# Altium PCB PCB_3U_DAC.PCBDOC (part 1 of 9) (continued)
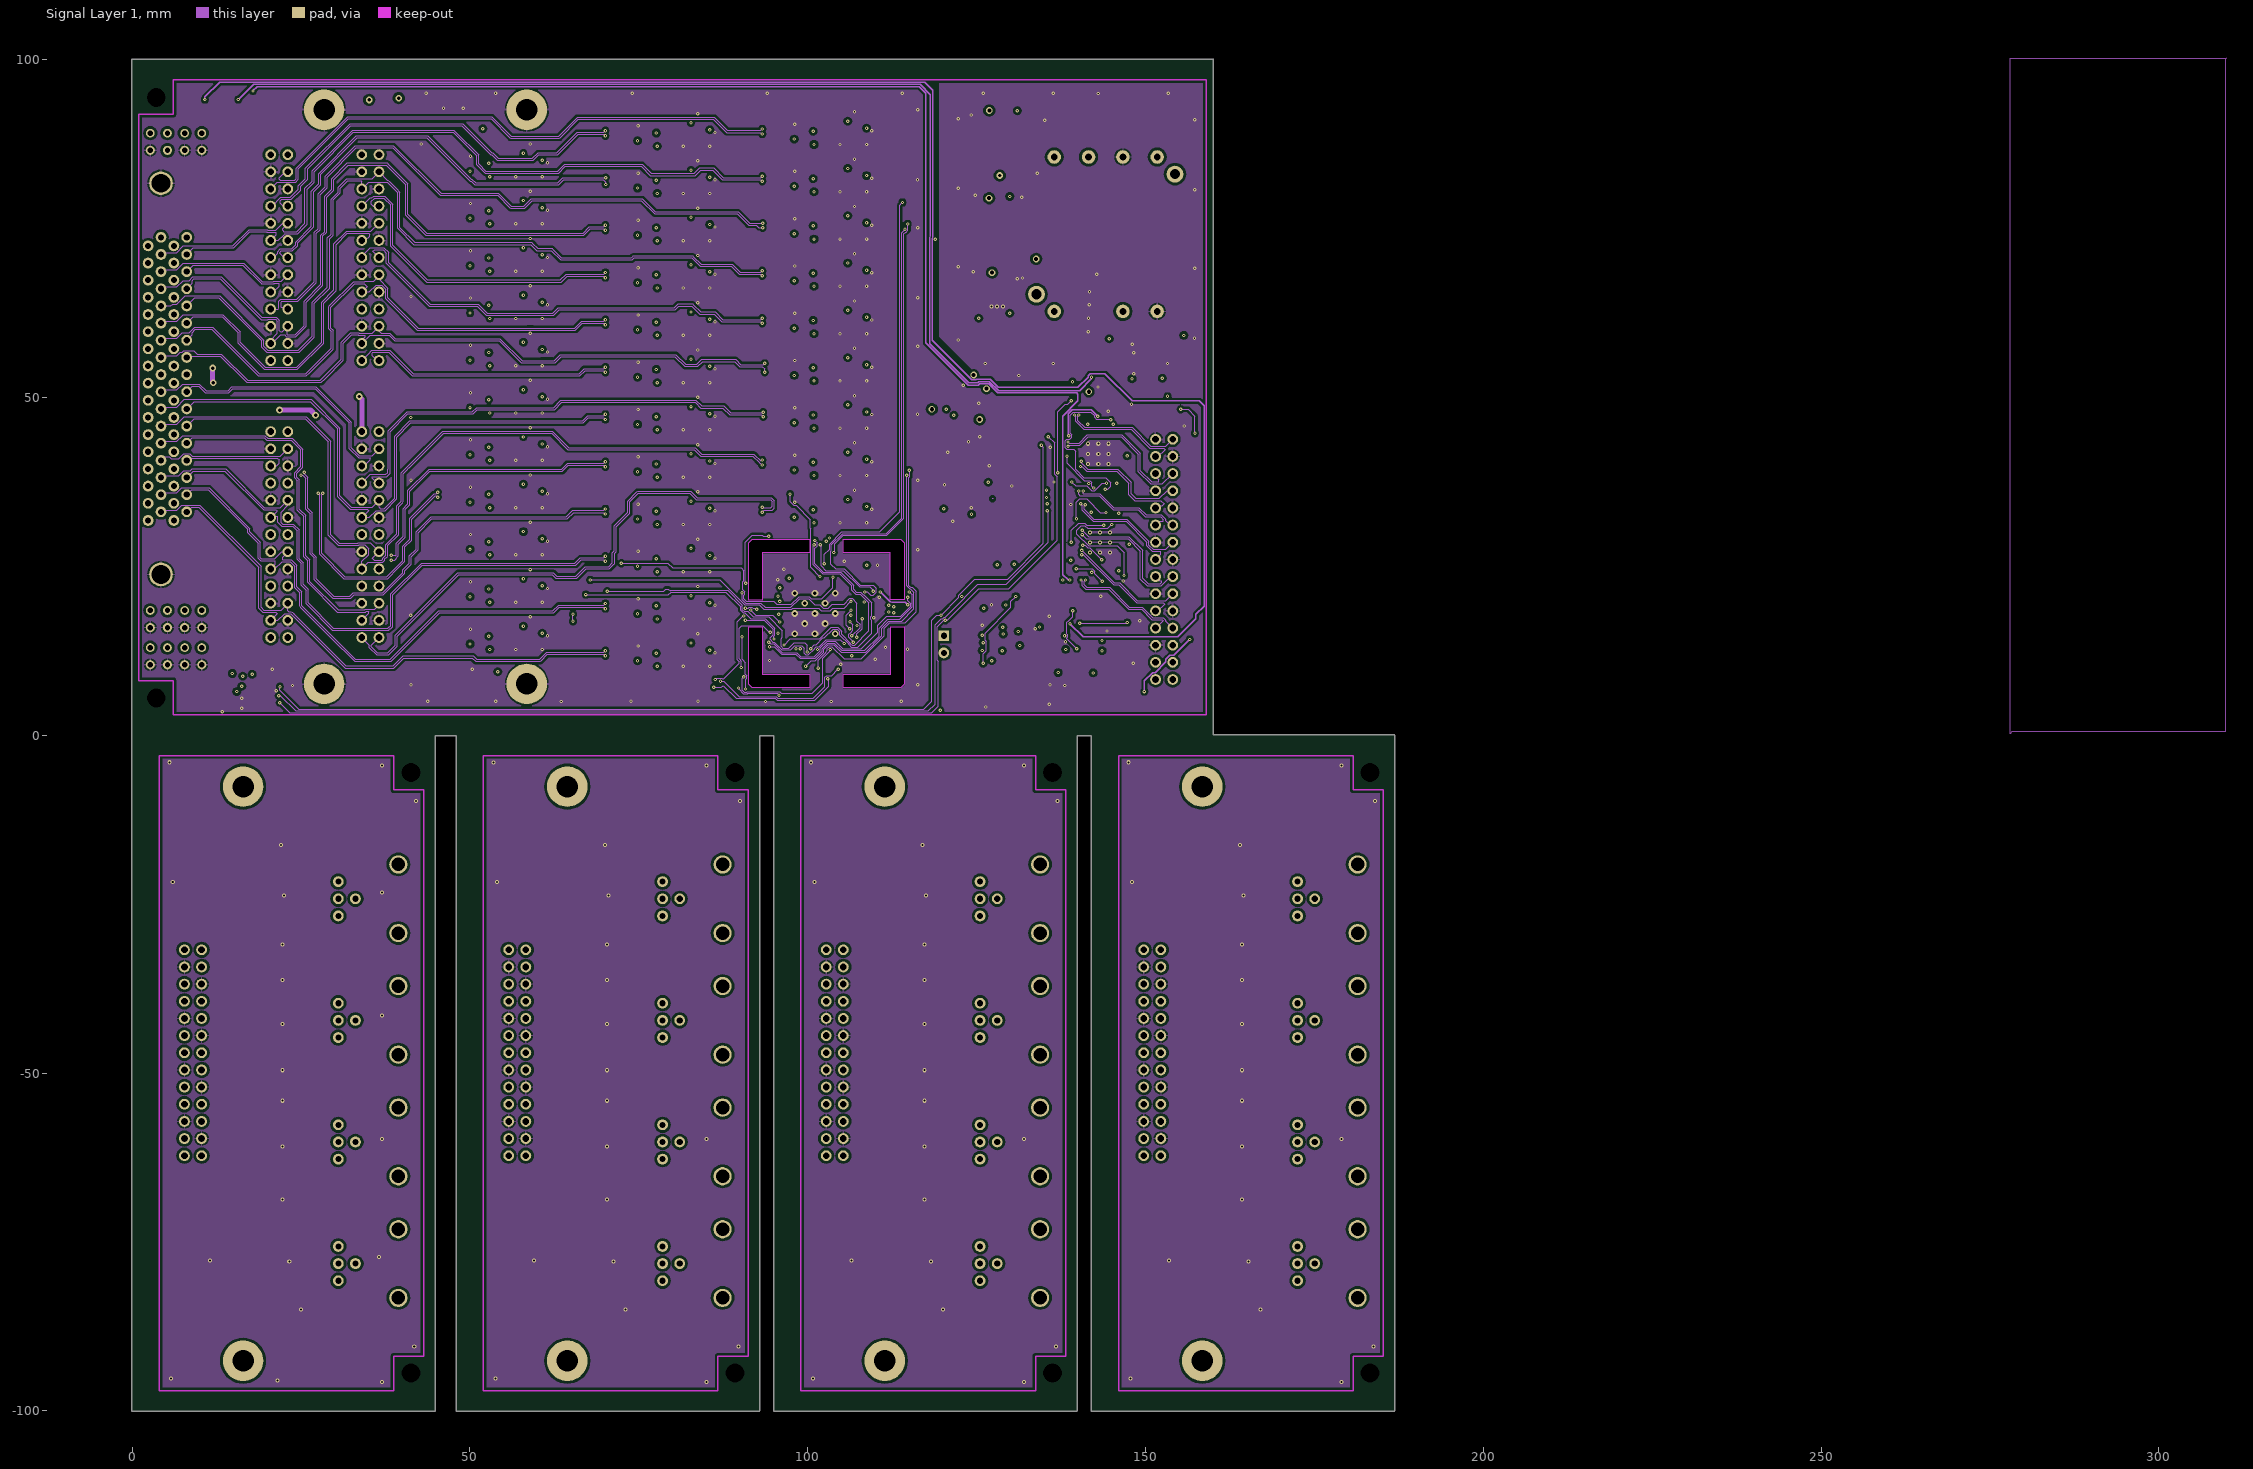
[diagram p3: Signal Layer 1]
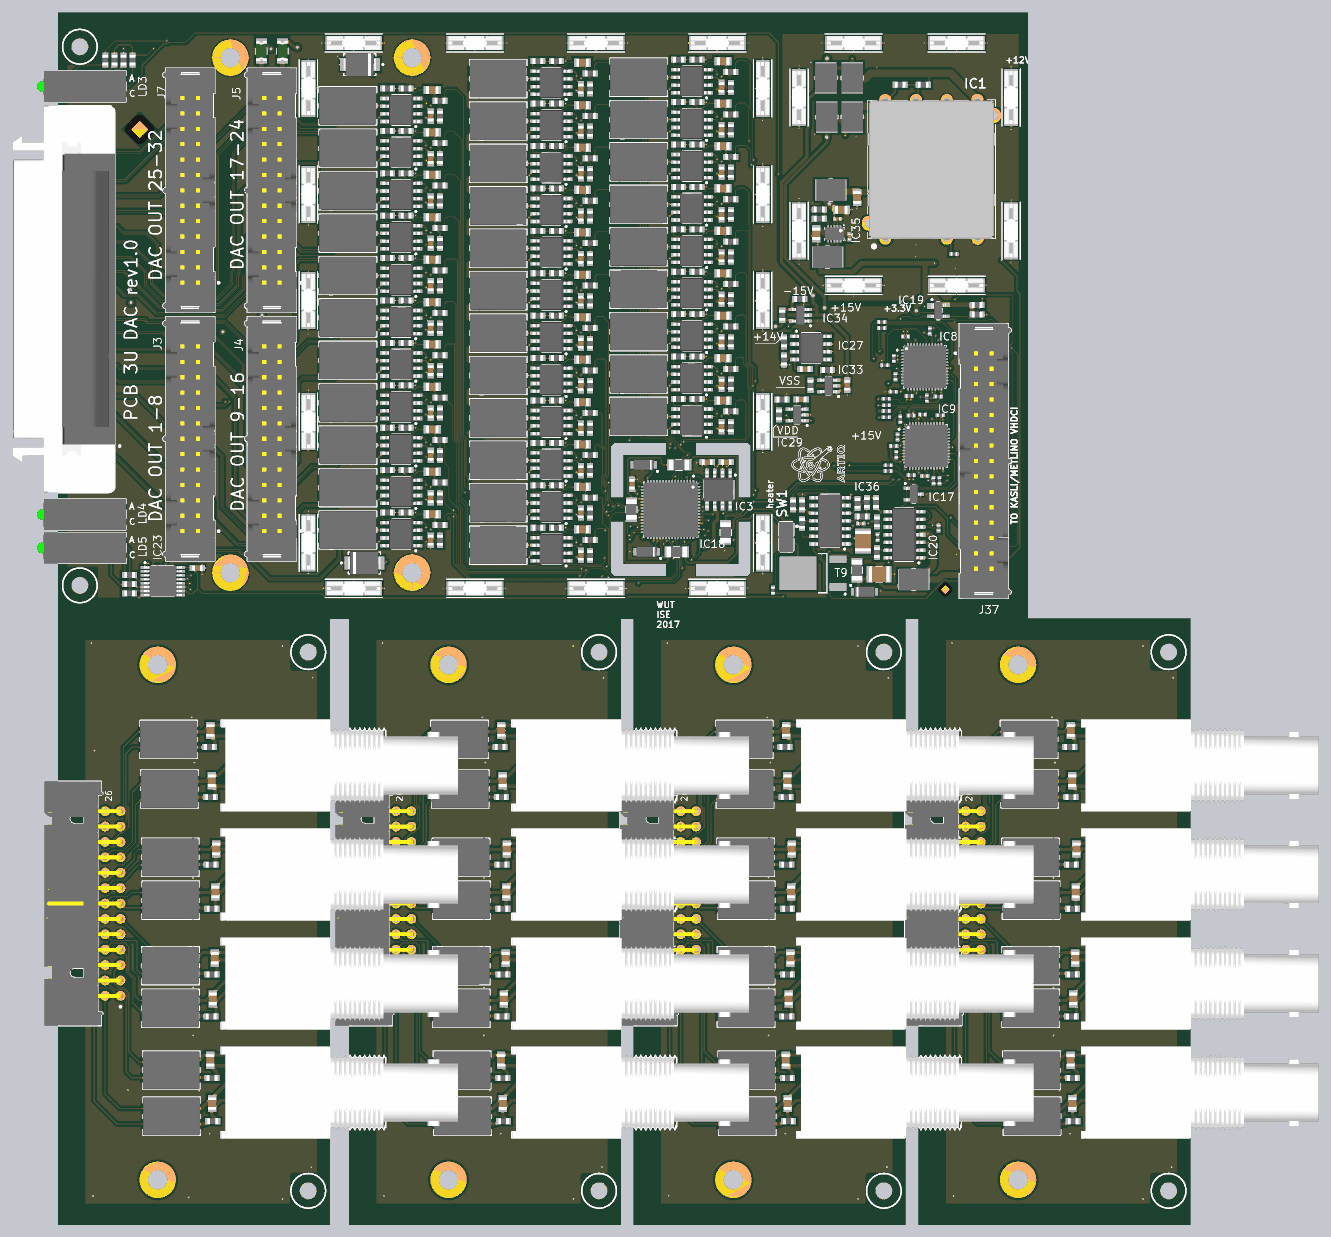
[diagram p12: 3D render of the assembled board from above, using the file's embedded part models]
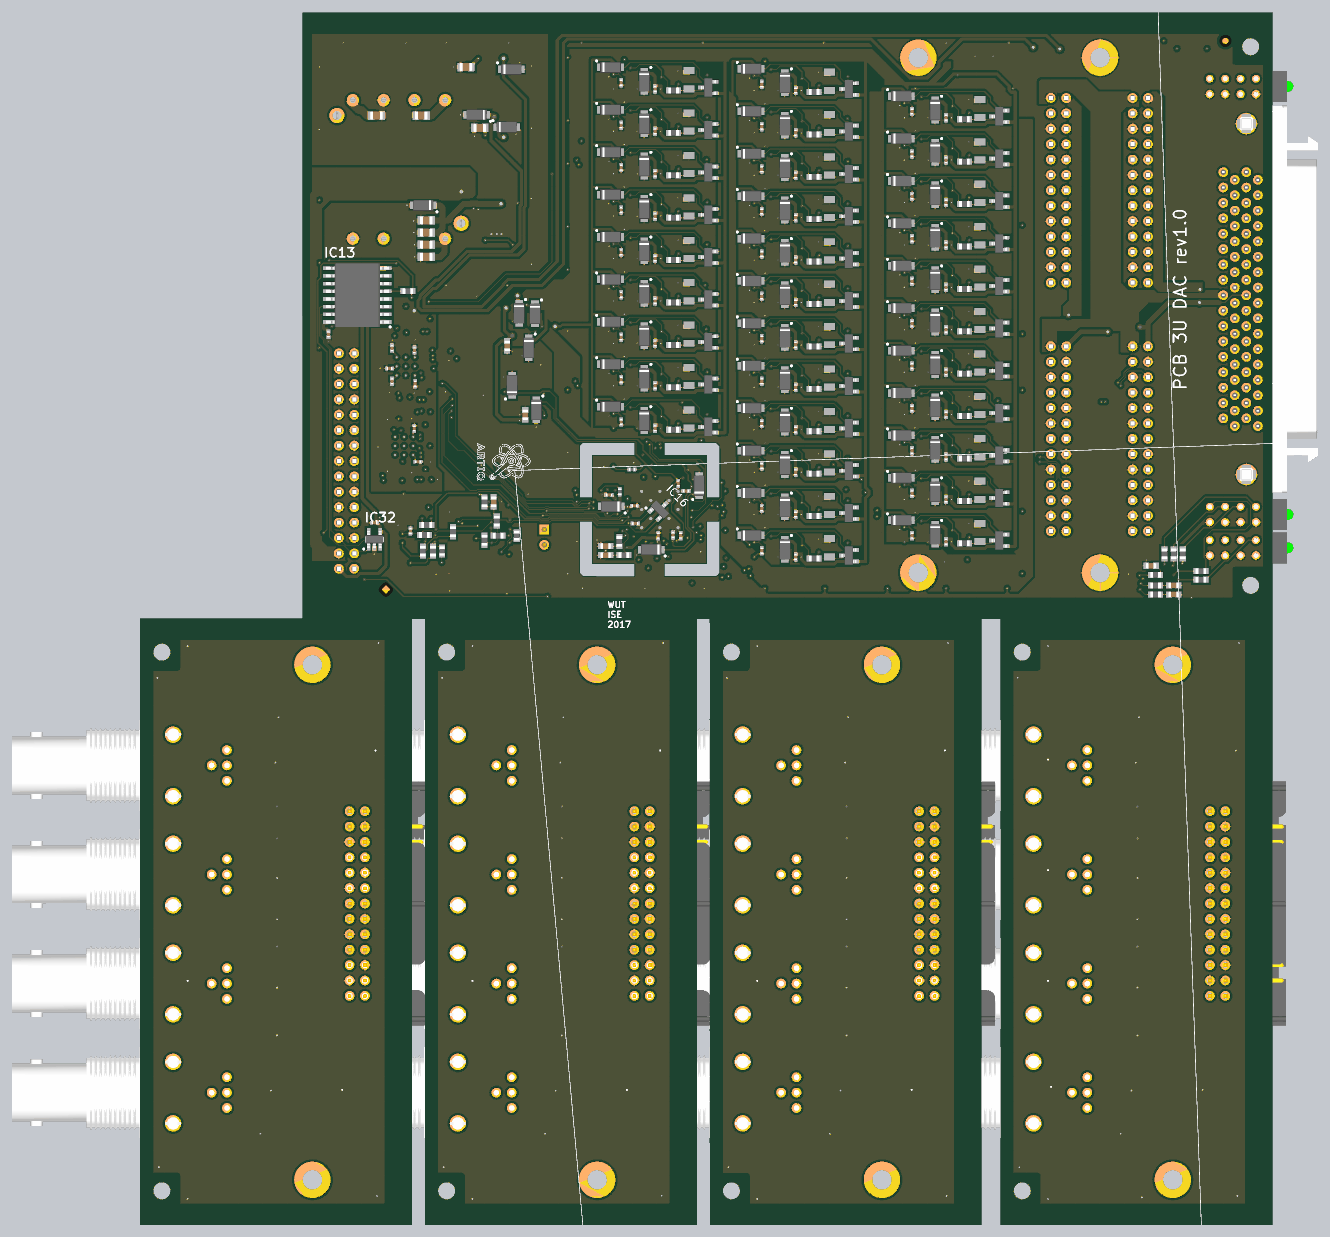
[diagram p13: 3D render of the assembled board from below, using the file's embedded part models]

## Layer stack, top to bottom
TopSolder: solder mask 0.0102, Solder Resist, Dk 3.5
TopLayer: signal copper 0.0356
Dielectric1: core 0.36, FR-4, Dk 4.8
Internal Plane 2: plane copper 0.036, net GNDP_2
Dielectric 3: prepreg 0.7, Dk 4.2
Signal Layer 1: signal copper 0.036
Dielectric 5: core 0.36, Dk 4.2
BottomLayer: signal copper 0.0356
BottomSolder: solder mask 0.0102, Solder Resist, Dk 3.5

## Board outline
-0.05,-100 ccw(c0,-100) 0,-100.05 44.809,-100.05 ccw(c44.809,-100) 44.86,-100 44.86,-0.05 47.95,-0.05 47.95,-100 ccw(c48,-100) 48,-100.05 92.809,-100.05 ccw(c92.809,-100) 92.86,-100 92.86,-0.05 94.95,-0.05 94.95,-100 ccw(c95,-100) 95,-100.05 139.809,-100.05 ccw(c139.809,-100) 139.86,-100 139.86,-0.05 141.95,-0.05 141.95,-100 ccw(c142,-100) 142,-100.05 186.809,-100.05 ccw(c186.809,-100) 186.86,-100 186.86,0 ccw(c186.809,0) 186.809,0.05 160.045,0.05 160.045,49.983 ccw(c160,50.005) 160.05,50.005 160.05,100 ccw(c160,100) 159.995,100.05 ccw(c159.995,100) 159.995,100.05 0,100.05 ccw(c0,100) -0.05,100
cut-out: 93.273,16.031 93.273,9.031 100.273,9.031 100.273,7.031 92.263,7.031 91.763,7.031 91.263,7.531 91.263,8.031 91.252,16.031
cut-out: 105.263,9.031 112.263,9.031 112.263,16.031 114.263,16.031 114.263,8.021 114.263,7.521 113.763,7.021 113.263,7.021 105.263,7.01
cut-out: 112.247,20.031 112.247,27.031 105.247,27.031 105.247,29.031 113.257,29.031 113.757,29.031 114.257,28.531 114.257,28.031 114.268,20.031
cut-out: 100.263,27.021 93.263,27.021 93.263,20.021 91.263,20.021 91.263,28.031 91.263,28.531 91.763,29.031 92.263,29.031 100.263,29.042

## Design rules (kind name [scope] priority, off if disabled: settings)
Clearance Clearance_DIFF [(InDifferentialPairClass('All Differential Pairs')and IsTrack ) vs (InDifferentialPairClass('All Differential Pairs') and IsTrack  )] p1 off: gap=0.508 except(0.127: SMDPad-SMDPad SMDPad-THPad SMDPad-Via SMDPad-Fill SMDPad-Poly SMDPad-Region SMDPad-Text THPad-THPad THPad-Via THPad-Fill THPad-Poly THPad-Region THPad-Text Via-Via Via-Fill Via-Poly Via-Region Via-Text)
Clearance [All] p2: gap=0.127 except(0.381: Arc-Poly Track-Poly SMDPad-Poly THPad-Poly Via-Poly Fill-Poly Poly-Poly)
ComponentClearance [All] p1: gap=0 collisioncheckmode=3 verticalgap=2540 showdistances=FALSE
DiffPairsRouting [All] p1: maxlimit=0.152 minlimit=0.127 mostfreqgap=0.152 toplayer_minwidth=0.127 toplayer_maxwidth=0.152 toplayer_prefwidth=0.152 midlayer1_minwidth=0.127 midlayer1_maxwidth=0.152 midlayer1_prefwidth=0.152 bottomlayer_minwidth=0.127 bottomlayer_maxwidth=0.152 bottomlayer_prefwidth=0.152 maxuncoupledlength=12.7
FabricationTestPointUsage TestPointUsage [All] p1: valid=0 allowmultiple=FALSE
FabricationTestpoint Testpoint [All] p1: side=3 testpointundercomponent=TRUE minsize=1.016 maxsize=2.54 preferedsize=1.524 minholesize=0.508 maxholesize=1.016 preferedholesize=0.813 testpointgrid=0.025 allowsidetop=TRUE allowsidebottom=TRUE usegrid=TRUE gridtolerance=0
Height [All] p1: minheight=0 maxheight=40 prefheight=40
HoleSize [All] p1: absolutevalues=TRUE maxlimit=3.81 minlimit=0.025 maxpercent=80.000 minpercent=20.000
HoleToHoleClearance [All] p1: gap=0.025 allowstackedmicrovias=TRUE
MinimumSolderMaskSliver [All] p1: minsoldermaskwidth=0
PlaneClearance [All] p1: clearance=0.2
PlaneConnect [All] p1: planeconnectstyle=Direct reliefexpansion=0.508 reliefentries=4 reliefconductorwidth=0.254 reliefairgap=0.254
PolygonConnect PolygonConnect_pad [(InPadClass('All Pads'))] p1: connectstyle=Relief reliefconductorwidth=0.254 reliefentries=4 polygonreliefangle="90 Angle" airgapwidth=0.254
PolygonConnect [All] p2: connectstyle=Direct reliefconductorwidth=0.254 reliefentries=4 polygonreliefangle="45 Angle" airgapwidth=0.254
RoomDefinition U_Supply_DAC [InComponentClass('U_Supply_DAC')] p1 off: confinementstyle=ConfineIn formatcopy=TRUE lockcomponents=FALSE outline 162.5,56.5 124,56.5 124,1.5 162.5,1.5
RoomDefinition U_LVDS_IFC_DAC [InComponentClass('U_LVDS_IFC_DAC')] p2 off: confinementstyle=ConfineIn formatcopy=TRUE lockcomponents=FALSE outline 123,2 160,2 160,53 123,53
RoomDefinition U_IDC2BNC4 [InComponentClass('U_IDC2BNC4')] p3: confinementstyle=ConfineIn formatcopy=TRUE lockcomponents=FALSE outline 92.809,0 48,0 48,-100 92.809,-100
RoomDefinition U_IDC2BNC3 [InComponentClass('U_IDC2BNC3')] p4: confinementstyle=ConfineIn formatcopy=TRUE lockcomponents=FALSE outline 186.809,0 142,0 142,-100 186.809,-100
RoomDefinition U_IDC2BNC1 [InComponentClass('U_IDC2BNC1')] p5: confinementstyle=ConfineIn formatcopy=TRUE lockcomponents=FALSE outline 139.809,0 95,0 95,-100 139.809,-100
RoomDefinition U_Output_channel1 [InComponentClass('U_Output_channel1')] p6 off: confinementstyle=ConfineIn formatcopy=TRUE lockcomponents=FALSE outline 42.763,11.206 64.963,11.206 64.963,18.206 42.763,18.206
RoomDefinition U_Output_channel2 [InComponentClass('U_Output_channel2')] p7 off: confinementstyle=ConfineIn formatcopy=TRUE lockcomponents=FALSE outline 67.563,8.706 89.763,8.706 89.763,15.706 67.563,15.706
RoomDefinition U_Output_channel3 [InComponentClass('U_Output_channel3')] p8 off: confinementstyle=ConfineIn formatcopy=TRUE lockcomponents=FALSE outline 42.763,18.206 64.963,18.206 64.963,25.206 42.763,25.206
RoomDefinition U_Output_channel4 [InComponentClass('U_Output_channel4')] p9 off: confinementstyle=ConfineIn formatcopy=TRUE lockcomponents=FALSE outline 67.563,15.706 89.763,15.706 89.763,22.706 67.563,22.706
RoomDefinition U_Output_channel5 [InComponentClass('U_Output_channel5')] p10 off: confinementstyle=ConfineIn formatcopy=TRUE lockcomponents=FALSE outline 42.763,25.206 64.963,25.206 64.963,32.206 42.763,32.206
RoomDefinition U_Output_channel6 [InComponentClass('U_Output_channel6')] p11 off: confinementstyle=ConfineIn formatcopy=TRUE lockcomponents=FALSE outline 67.563,22.706 89.763,22.706 89.763,29.706 67.563,29.706
RoomDefinition U_Output_channel7 [InComponentClass('U_Output_channel7')] p12 off: confinementstyle=ConfineIn formatcopy=TRUE lockcomponents=FALSE outline 42.763,32.206 64.963,32.206 64.963,39.206 42.763,39.206
RoomDefinition U_Output_channel8 [InComponentClass('U_Output_channel8')] p13 off: confinementstyle=ConfineIn formatcopy=TRUE lockcomponents=FALSE outline 67.563,29.706 89.763,29.706 89.763,36.706 67.563,36.706
RoomDefinition U_Output_channel9 [InComponentClass('U_Output_channel9')] p14 off: confinementstyle=ConfineIn formatcopy=TRUE lockcomponents=FALSE outline 90.763,29.956 112.963,29.956 112.963,36.956 90.763,36.956
RoomDefinition U_Output_channel10 [InComponentClass('U_Output_channel10')] p15 off: confinementstyle=ConfineIn formatcopy=TRUE lockcomponents=FALSE outline 42.763,39.206 64.963,39.206 64.963,46.206 42.763,46.206
RoomDefinition U_Output_channel11 [InComponentClass('U_Output_channel11')] p16 off: confinementstyle=ConfineIn formatcopy=TRUE lockcomponents=FALSE outline 67.563,36.706 89.763,36.706 89.763,43.706 67.563,43.706
RoomDefinition U_Output_channel12 [InComponentClass('U_Output_channel12')] p17 off: confinementstyle=ConfineIn formatcopy=TRUE lockcomponents=FALSE outline 90.763,36.956 112.963,36.956 112.963,43.956 90.763,43.956
RoomDefinition U_Output_channel13 [InComponentClass('U_Output_channel13')] p18 off: confinementstyle=ConfineIn formatcopy=TRUE lockcomponents=FALSE outline 42.763,46.206 64.963,46.206 64.963,53.206 42.763,53.206
RoomDefinition U_Output_channel14 [InComponentClass('U_Output_channel14')] p19 off: confinementstyle=ConfineIn formatcopy=TRUE lockcomponents=FALSE outline 67.563,43.706 89.763,43.706 89.763,50.706 67.563,50.706
RoomDefinition U_Output_channel15 [InComponentClass('U_Output_channel15')] p20 off: confinementstyle=ConfineIn formatcopy=TRUE lockcomponents=FALSE outline 90.763,43.956 112.963,43.956 112.963,50.956 90.763,50.956
RoomDefinition U_Output_channel16 [InComponentClass('U_Output_channel16')] p21 off: confinementstyle=ConfineIn formatcopy=TRUE lockcomponents=FALSE outline 42.763,53.206 64.963,53.206 64.963,60.206 42.763,60.206
RoomDefinition U_Output_channel17 [InComponentClass('U_Output_channel17')] p22 off: confinementstyle=ConfineIn formatcopy=TRUE lockcomponents=FALSE outline 67.563,50.706 89.763,50.706 89.763,57.706 67.563,57.706
RoomDefinition U_Output_channel18 [InComponentClass('U_Output_channel18')] p23 off: confinementstyle=ConfineIn formatcopy=TRUE lockcomponents=FALSE outline 90.763,50.956 112.963,50.956 112.963,57.956 90.763,57.956
RoomDefinition U_Output_channel19 [InComponentClass('U_Output_channel19')] p24 off: confinementstyle=ConfineIn formatcopy=TRUE lockcomponents=FALSE outline 42.763,60.206 64.963,60.206 64.963,67.206 42.763,67.206
RoomDefinition U_Output_channel20 [InComponentClass('U_Output_channel20')] p25 off: confinementstyle=ConfineIn formatcopy=TRUE lockcomponents=FALSE outline 67.563,57.706 89.763,57.706 89.763,64.706 67.563,64.706
RoomDefinition U_Output_channel22 [InComponentClass('U_Output_channel22')] p26 off: confinementstyle=ConfineIn formatcopy=TRUE lockcomponents=FALSE outline 42.763,67.206 64.963,67.206 64.963,74.206 42.763,74.206
RoomDefinition U_Output_channel23 [InComponentClass('U_Output_channel23')] p27 off: confinementstyle=ConfineIn formatcopy=TRUE lockcomponents=FALSE outline 67.563,64.706 89.763,64.706 89.763,71.706 67.563,71.706
RoomDefinition U_Output_channel24 [InComponentClass('U_Output_channel24')] p28 off: confinementstyle=ConfineIn formatcopy=TRUE lockcomponents=FALSE outline 90.763,64.956 112.963,64.956 112.963,71.956 90.763,71.956
RoomDefinition U_Output_channel25 [InComponentClass('U_Output_channel25')] p29 off: confinementstyle=ConfineIn formatcopy=TRUE lockcomponents=FALSE outline 42.763,74.206 64.963,74.206 64.963,81.206 42.763,81.206
RoomDefinition U_Output_channel26 [InComponentClass('U_Output_channel26')] p30 off: confinementstyle=ConfineIn formatcopy=TRUE lockcomponents=FALSE outline 67.563,71.706 89.763,71.706 89.763,78.706 67.563,78.706
RoomDefinition U_Output_channel27 [InComponentClass('U_Output_channel27')] p31 off: confinementstyle=ConfineIn formatcopy=TRUE lockcomponents=FALSE outline 90.763,71.956 112.963,71.956 112.963,78.956 90.763,78.956
RoomDefinition U_Output_channel28 [InComponentClass('U_Output_channel28')] p32 off: confinementstyle=ConfineIn formatcopy=TRUE lockcomponents=FALSE outline 42.763,81.206 64.963,81.206 64.963,88.206 42.763,88.206
RoomDefinition U_Output_channel29 [InComponentClass('U_Output_channel29')] p33 off: confinementstyle=ConfineIn formatcopy=TRUE lockcomponents=FALSE outline 67.563,78.706 89.763,78.706 89.763,85.706 67.563,85.706
RoomDefinition U_Output_channel30 [InComponentClass('U_Output_channel30')] p34 off: confinementstyle=ConfineIn formatcopy=TRUE lockcomponents=FALSE outline 90.763,78.956 112.963,78.956 112.963,85.956 90.763,85.956
RoomDefinition U_Output_channel31 [InComponentClass('U_Output_channel31')] p35 off: confinementstyle=ConfineIn formatcopy=TRUE lockcomponents=FALSE outline 67.563,85.706 89.763,85.706 89.763,92.706 67.563,92.706
RoomDefinition U_Output_channel32 [InComponentClass('U_Output_channel32')] p36 off: confinementstyle=ConfineIn formatcopy=TRUE lockcomponents=FALSE outline 90.763,85.956 112.963,85.956 112.963,92.956 90.763,92.956
RoomDefinition U_Thermal_MGM [InComponentClass('U_Thermal_MGM')] p37 off: confinementstyle=ConfineIn formatcopy=TRUE lockcomponents=FALSE outline -0.737,73.206 138.763,73.206 138.763,100.206 -0.737,100.206
RoomDefinition U_Output_channel21 [InComponentClass('U_Output_channel21')] p38 off: confinementstyle=ConfineIn formatcopy=TRUE lockcomponents=FALSE outline 90.763,57.956 112.963,57.956 112.963,64.956 90.763,64.956
RoomDefinition U_DAC_32CH [InComponentClass('U_DAC_32CH')] p39 off: confinementstyle=ConfineIn formatcopy=TRUE lockcomponents=FALSE outline 112.624,27.102 92.888,27.102 92.888,8.28 112.624,8.28
RoomDefinition PCB_3U_DAC [InComponentClass('PCB_3U_DAC')] p40 off: confinementstyle=ConfineIn formatcopy=TRUE lockcomponents=FALSE outline 104.763,28.131 127.763,28.131 127.763,37.706 104.763,37.706
RoutingVias [All] p1: holewidth=0.2 width=0.5 viastyle="Through Hole" minholewidth=0.2 minwidth=0.5 maxholewidth=0.711 maxwidth=1.27
SilkToSilkClearance [All] p1: silktosilkclearance=0
SilkToSolderMaskClearance SilkscreenOverComponentPads [IsPad] p1: minsilkscreentomaskgap=0 clearancetoexposedcopper=TRUE
SolderMaskExpansion [All] p1: expansion=0.051
ViasUnderSMD [All] p1: allowed=FALSE
Width [All] p1: maxlimit=1.27 minlimit=0.127 preferedwidth=0.127
18 further rules are at their usual default settings.

## Classes and differential pairs
channel class Filter_simulations: U_Filter_simulations1 U_Filter_simulations2 U_Filter_simulations3 U_Filter_simulations4 U_Filter_simulations5 U_Filter_simulations6 U_Filter_simulations7 U_Filter_simulations8 U_Filter_simulations9 U_Filter_simulations10 U_Filter_simulations11 U_Filter_simulations12 U_Filter_simulations13 U_Filter_simulations14 U_Filter_simulations15 U_Filter_simulations16 U_Filter_simulations17 U_Filter_simulations18 U_Filter_simulations19 U_Filter_simulations20 U_Filter_simulations21 U_Filter_simulations22 U_Filter_simulations23 U_Filter_simulations24 U_Filter_simulations25 U_Filter_simulations26 U_Filter_simulations27 U_Filter_simulations28 U_Filter_simulations29 U_Filter_simulations30 U_Filter_simulations31 U_Filter_simulations32
net class DAC_OUT_P[32..1]: DAC_OUT_P1 DAC_OUT_P2 DAC_OUT_P3 DAC_OUT_P4 DAC_OUT_P5 DAC_OUT_P6 DAC_OUT_P7 DAC_OUT_P8 DAC_OUT_P9 DAC_OUT_P10 DAC_OUT_P11 DAC_OUT_P12 DAC_OUT_P13 DAC_OUT_P14 DAC_OUT_P15 DAC_OUT_P16 DAC_OUT_P17 DAC_OUT_P18 DAC_OUT_P19 DAC_OUT_P20 DAC_OUT_P21 DAC_OUT_P22 DAC_OUT_P23 DAC_OUT_P24 DAC_OUT_P25 DAC_OUT_P26 DAC_OUT_P27 DAC_OUT_P28 DAC_OUT_P29 DAC_OUT_P30 DAC_OUT_P31 DAC_OUT_P32
net class DAC_OUT_N[31..1]: DAC_OUT_N1 DAC_OUT_N2 DAC_OUT_N3 DAC_OUT_N4 DAC_OUT_N5 DAC_OUT_N6 DAC_OUT_N7 DAC_OUT_N8 DAC_OUT_N9 DAC_OUT_N10 DAC_OUT_N11 DAC_OUT_N12 DAC_OUT_N13 DAC_OUT_N14 DAC_OUT_N15 DAC_OUT_N16 DAC_OUT_N17 DAC_OUT_N18 DAC_OUT_N19 DAC_OUT_N20 DAC_OUT_N21 DAC_OUT_N22 DAC_OUT_N23 DAC_OUT_N24 DAC_OUT_N25 DAC_OUT_N26 DAC_OUT_N27 DAC_OUT_N28 DAC_OUT_N29 DAC_OUT_N30 DAC_OUT_N31 DAC_OUT_N32
net class VOUT[32..1]: VOUT1 VOUT2 VOUT3 VOUT4 VOUT5 VOUT6 VOUT7 VOUT8 VOUT9 VOUT10 VOUT11 VOUT12 VOUT13 VOUT14 VOUT15 VOUT16 VOUT17 VOUT18 VOUT19 VOUT20 VOUT21 VOUT22 VOUT23 VOUT24 VOUT25 VOUT26 VOUT27 VOUT28 VOUT29 VOUT30 VOUT31 VOUT32
component class U_LVDS_IFC_DAC: C19 C20 C21 C22 C23 C24 C37 C38 C69 C70 IC8 IC9 IC13 IC32 J37 R6 R8 R11 R12 R13 R14 R16 R17 R18 R19 R20 R21 R22 R23 R51 R88 R97 R99 R101 R141 R144 R147 R151 R157 R160 R163 R166 R170 R171
component class PCB_3U_DAC: C68 C71 C95 C96 CLIP27 CLIP28 CLIP29 CLIP30 CLIP31 CLIP32 CLIP33 CLIP34 CLIP35 CLIP36 CLIP37 CLIP38 CLIP39 CLIP40 CLIP41 CLIP42 CLIP43 CLIP44 CLIP45 CLIP46 CLIP47 CLIP48 CLIP49 CLIP50 CLIP51 CLIP52 FTG1 FTG2 FTG3 FTG4 IC19 IC23 J1 J3 J4 J5 J7 LD1 LD4 LD5 R44 R45 R113 R114 R115 R116 R117 R118 R119 R120 R121 R122 R123
component class U_DAC_32CH: C9 C12 C13 C14 C31 C33 C47 C50 C53 C76 C77 C78 C79 C80 C81 C82 C83 C84 IC3 IC18 R3 R7 R58 R82
component class U_Supply_DAC: C63 C64 C124 C128 C129 C130 C131 C132 C133 C134 C135 C136 C137 C138 C139 C140 C141 C142 C143 C144 C145 C146 C147 C148 C149 C150 C151 D10 D11 F1 F2 IC1 IC27 IC29 IC33 IC34 IC35 L6 L7 L8 L9 L15 L16 R1 R2 R4 R69 R70 R150 R153 R156 R158 R159 R161 R162 R164
component class U_IDC2BNC1: C1_1 C2_1 C3_1 C4_1 C5_1 C6_1 C7_1 C8_1 J2_1 J6_1 J8_1 J9_1 J10_1 L1_1 L2_1 L5_1 L10_1 L11_1 L12_1 L13_1 L14_1 R15_1 R26_1 R27_1 R28_1 R29_1 R30_1 R31_1 R32_1
component class U_IDC2BNC2: C1_2 C2_2 C3_2 C4_2 C5_2 C6_2 C7_2 C8_2 J2_2 J6_2 J9_2 J10_2 L1_2 L2_2 L5_2 L10_2 L11_2 L12_2 L13_2 L14_2 R15_2 R26_2 R27_2 R28_2 R29_2 R30_2 R31_2 R32_2
component class U_IDC2BNC3: C1_3 C2_3 C3_3 C4_3 C5_3 C6_3 C7_3 C8_3 J2_3 J6_3 J8_3 J9_3 J10_3 L1_3 L2_3 L5_3 L10_3 L11_3 L12_3 L13_3 L14_3 R15_3 R26_3 R27_3 R28_3 R29_3 R30_3 R31_3 R32_3
component class U_IDC2BNC4: C1_4 C2_4 C3_4 C4_4 C5_4 C6_4 C7_4 C8_4 J2_4 J6_4 J8_4 J9_4 J10_4 L1_4 L2_4 L5_4 L10_4 L11_4 L12_4 L13_4 L14_4 R15_4 R26_4 R27_4 R28_4 R29_4 R30_4 R31_4 R32_4
component class U_Thermal_MGM: C58 C59 C65 C66 C67 C152 IC16 IC17 IC20 IC36 L3 LD3 R5 R9 R10 R47 R48 R49 R50 R52 R53 R54 R55 R56 R57 R60 R62 R63 R64_U_Thermal_MGM2 R65 R66 R67_U_Thermal_MGM2 R69_U_Thermal_MGM2 R70_U_Thermal_MGM2 R71 R72 R72_U_Thermal_MGM2 R73 R74 R75 R76 R77 R78 R79 R81 R83 R84 R85 R87 R165 R168 R169 R172 R174 SW1 T9 W1
channel class IDC2BNC: U_IDC2BNC1 U_IDC2BNC2 U_IDC2BNC3 U_IDC2BNC4
channel class Output_channel: U_Output_channel1 U_Output_channel2 U_Output_channel3 U_Output_channel4 U_Output_channel5 U_Output_channel6 U_Output_channel7 U_Output_channel8 U_Output_channel9 U_Output_channel10 U_Output_channel11 U_Output_channel12 U_Output_channel13 U_Output_channel14 U_Output_channel15 U_Output_channel16 U_Output_channel17 U_Output_channel18 U_Output_channel19 U_Output_channel20 U_Output_channel21 U_Output_channel22 U_Output_channel23 U_Output_channel24 U_Output_channel25 U_Output_channel26 U_Output_channel27 U_Output_channel28 U_Output_channel29 U_Output_channel30 U_Output_channel31 U_Output_channel32